# Altium PCB LimeNet-Micro_2v1.PcbDoc (part 1 of 11) (continued)
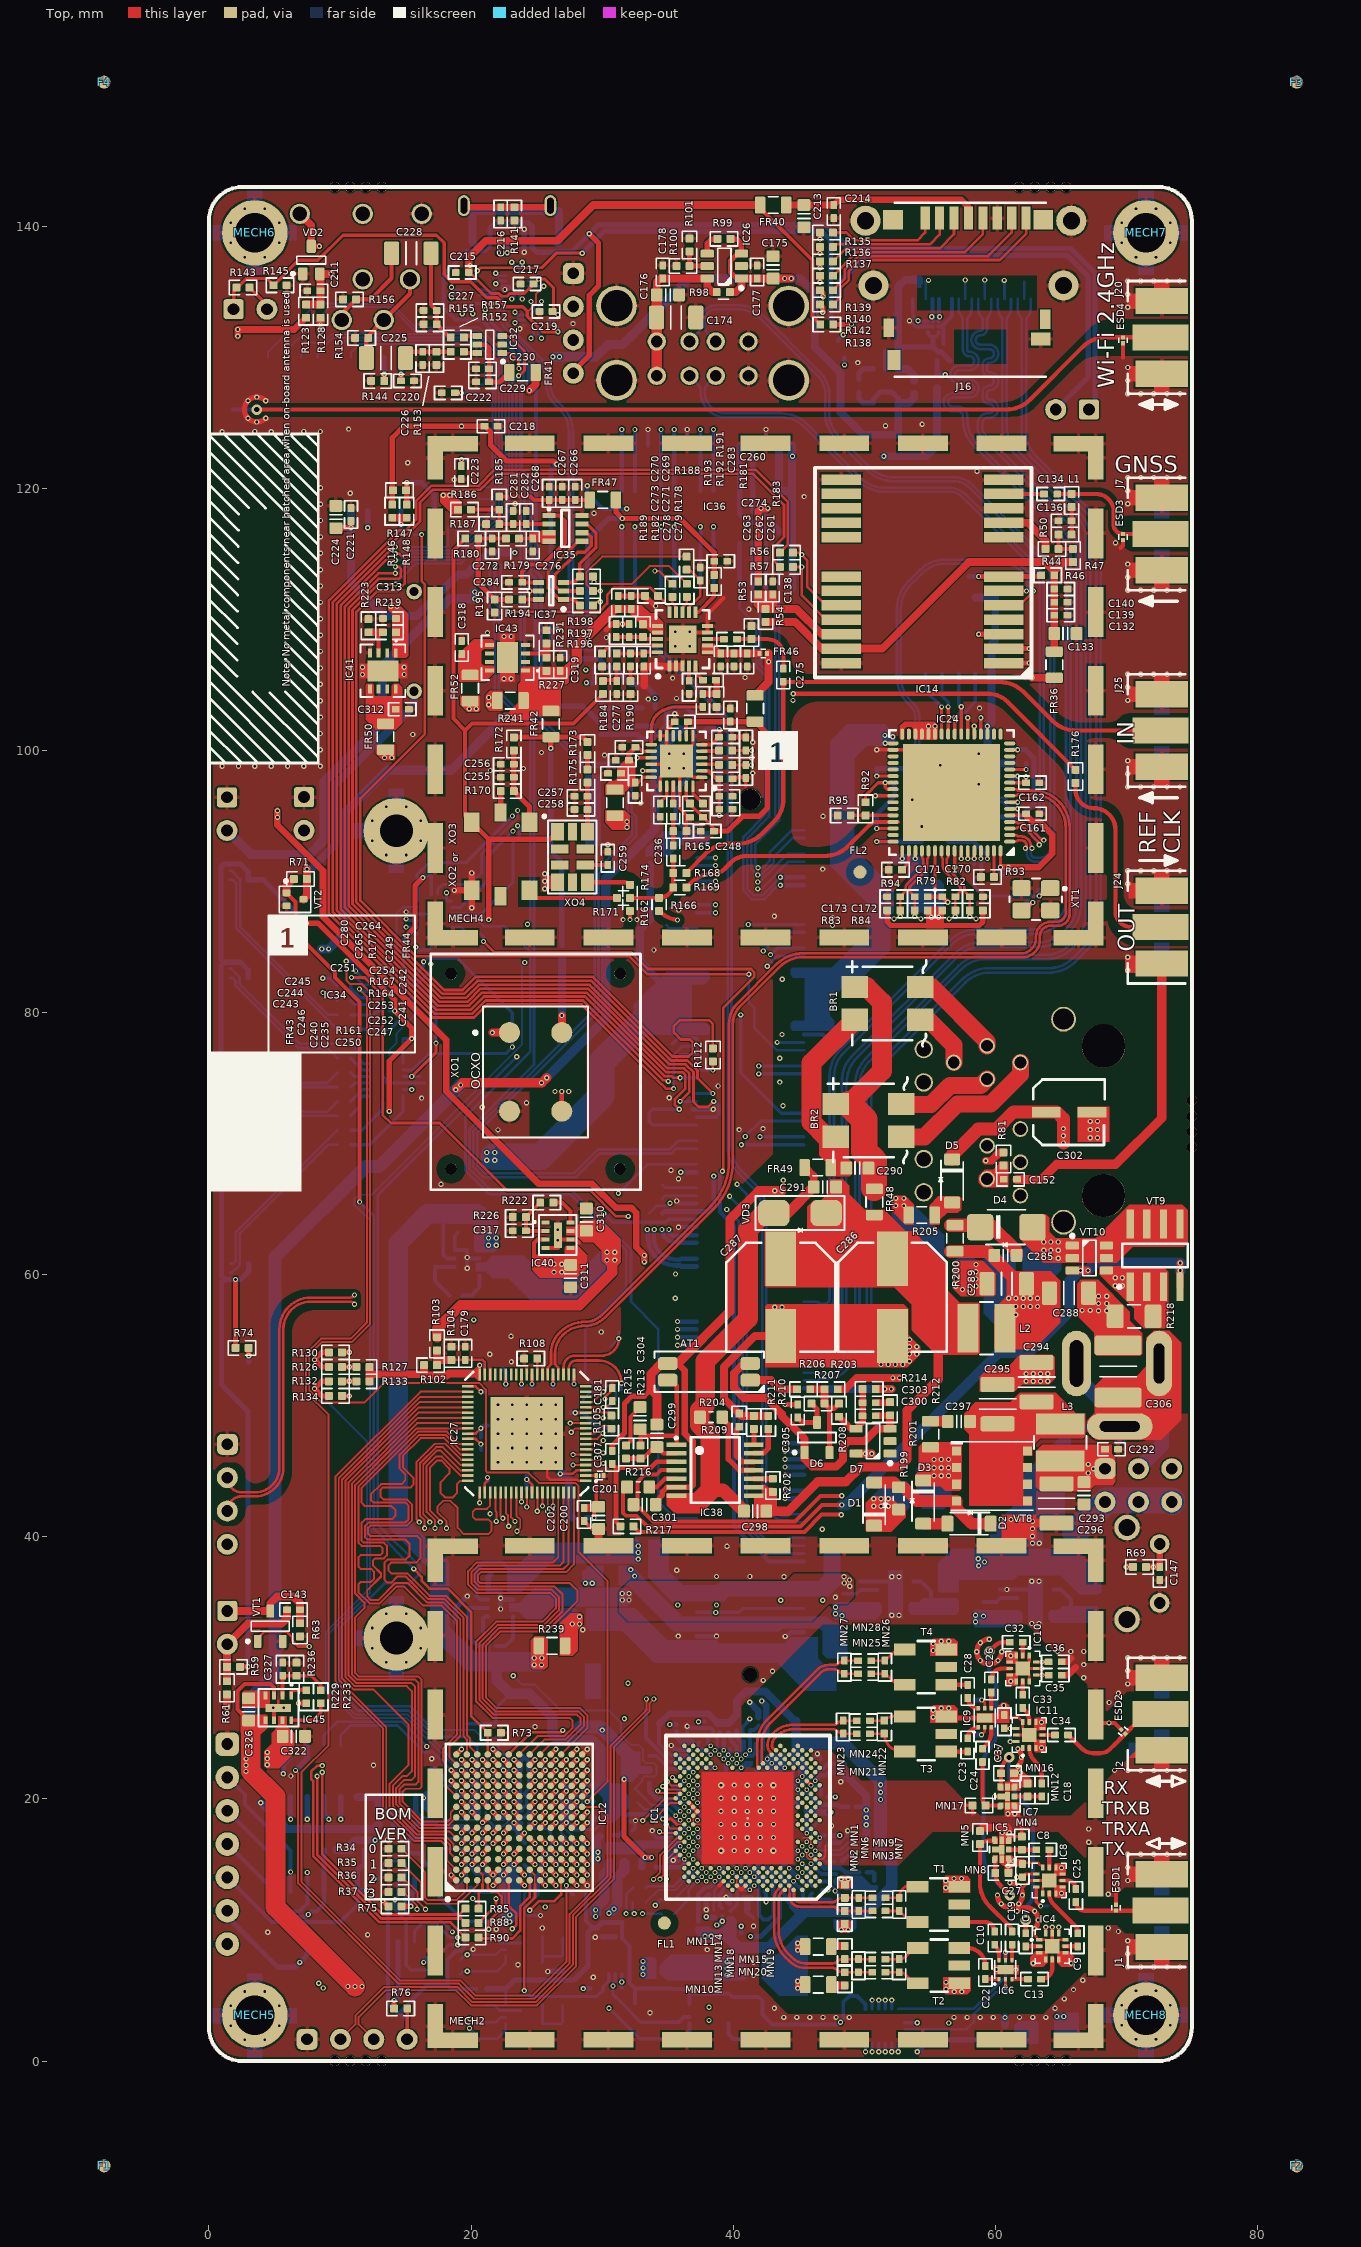
[diagram p0: Top view]
## Components (designator, comment, footprint, x,y, rotation, side; value= is the part's Value field where it differs from the comment)
AT1 "TCMT1107CT" TCMT1107CT_optoisolator 38.15,52.59 r90 top
BR1 "HD01-T" "HD01-T _RECTIFIER_BRIDGE_V1" 51.775,80.7 r90 top
BR2 "HD01-T" "HD01-T _RECTIFIER_BRIDGE_V1" 50.331,71.775 r90 top
C1 "10pF, 25V" CAP0402#1 36.603,11.995 r270 bottom
C2 "100nF, 16V" CAP0402#1 19.475,11.15 r90 bottom
C3 "100pF, 50V" CAP0402#1 48.772,12.894 r270 bottom
C4 "100nF, 16V" CAP0402#1 49.772,12.894 r90 bottom
C5 "100pF, 50V" CAP0402#1 47.472,10.469 r180 bottom
C6 "100nF, 16V" CAP0402#1 49.572,10.469 r180 bottom
C7 "100pF, 50V" CAP0402#2 62.325,9.25 r270 top
C8 "100pF, 50V" CAP0402#2 63.625,16.125 r180 top
C9 "100pF, 50V" CAP0402#2 66.275,9.25 r270 top
C10 "100pF, 50V" CAP0402#2 59.95,9.375 r90 top
C11 "100pF, 50V" CAP0402#1 64.85,9.175 r90 bottom
C12 "100pF, 50V" CAP0402#1 63.85,9.175 r90 bottom
C13 "100pF, 50V" CAP0402#2 63,6.25 r180 top
C14 "100nF, 16V" CAP0402#1 45.878,6.326 r180 bottom
C15 "100pF, 50V" CAP0402#1 45.878,5.326 r0 bottom
C16 "100pF, 50V" CAP0402#1 45.878,9.225 r0 bottom
C17 "100nF, 16V" CAP0402#1 45.878,8.225 r180 bottom
C18 "100pF, 50V" CAP0402#2 63.553,20.68 r270 top
C19 "100pF, 50V" CAP0402#2 61.277,9.375 r270 top
C20 "10pF, 25V" CAP0402#1 61.275,5.235 r180 bottom
C21 "10pF, 25V" CAP0402#1 61.275,7.875 r180 bottom
C22 "100pF, 50V" CAP0402#2 59.25,6.75 r90 top
C23 "100pF, 50V" CAP0402#2 57.881,24.125 r270 top
C24 "100pF, 50V" CAP0402#2 59.025,23.325 r90 top
C25 "100pF, 50V" CAP0402#2 66.15,12.625 r90 top
C26 "100pF, 50V" CAP0402#2 59.7,28.625 r270 top
C27 "100pF, 50V" CAP0402#2 62.075,14.525 r270 top
C28 "100pF, 50V" CAP0402#2 57.9,28.2 r90 top
C29 "100pF, 50V" CAP0402#1 64.525,11.82 r180 bottom
C30 "10pF, 25V" CAP0402#1 57.95,24.9 r0 bottom
C31 "10pF, 25V" CAP0402#1 57.975,27.55 r0 bottom
C32 "100pF, 50V" CAP0402#2 61.6,31.95 r0 top
C33 "100pF, 50V" CAP0402#2 62.1,27.45 r90 top
C34 "100pF, 50V" CAP0402#2 65.05,24.875 r180 top
C35 "100pF, 50V" CAP0402#2 64.575,29.45 r180 top
C36 "100pF, 50V" CAP0402#2 64.57,30.45 r180 top
C37 "100pF, 50V" CAP0402#2 60.7,25.89 r270 top
C38 "100pF, 50V" CAP0402#1 61.633,24.8 r180 bottom
C39 "1uF, 6.3V" CAP0201 38.232,12.099 r180 bottom value="1uF, 20%"
C40 "10uF, 6.3V" CAP0603#1 31.45,25.193 r180 bottom
C41 "1nF, 10%" CAP0201 36.782,19.549 r135 bottom
C42 "1uF, 6.3V" CAP0201 38.952,18.499 r0 bottom value="1uF, 20%"
C43 "1nF, 10%" CAP0201 34.947,15.069 r90 bottom
C44 "1uF, 6.3V" CAP0201 35.822,15.069 r90 bottom value="1uF, 20%"
C45 "1nF, 10%" CAP0201 32.047,17.594 r0 bottom
C46 "1uF, 6.3V" CAP0201 32.172,18.569 r270 bottom value="1uF, 20%"
C47 "1nF, 10%" CAP0201 35.687,19.626 r45 bottom
C48 "1uF, 6.3V" CAP0201 34.941,20.255 r90 bottom value="1uF, 20%"
C49 "1nF, 10%" CAP0201 36.322,22.554 r90 bottom
C50 "1uF, 6.3V" CAP0201 35.552,22.554 r90 bottom value="1uF, 20%"
C51 "1uF, 6.3V" CAP0201 47.19,13.974 r270 bottom value="1uF, 20%"
C52 "1uF, 6.3V" CAP0201 41.681,12.303 r180 bottom value="1uF, 20%"
C53 "1uF, 6.3V" CAP0201 42.384,13.18 r270 bottom value="1uF, 20%"
C54 "1uF, 6.3V" CAP0201 42.181,15.353 r0 bottom value="1uF, 20%"
C55 "1uF, 6.3V" CAP0201 39.197,21.819 r180 bottom value="1uF, 20%"
C56 "1uF, 6.3V" CAP0201 41.297,22.994 r270 bottom value="1uF, 20%"
C57 "1uF, 6.3V" CAP0201 46.981,20.803 r0 bottom value="1uF, 20%"
C58 "1uF, 6.3V" CAP0201 46.932,16.474 r0 bottom value="1uF, 20%"
C59 "1uF, 6.3V" CAP0201 37.027,23.744 r180 bottom value="1uF, 20%"
C60 "1uF, 6.3V" CAP0201 48.956,14.678 r90 bottom value="1uF, 20%"
C61 "1uF, 6.3V" CAP0201 36.322,24.644 r90 bottom value="1uF, 20%"
C62 "1uF, 6.3V" CAP0201 51.056,14.403 r0 bottom value="1uF, 20%"
C63 "1uF, 6.3V" CAP0201 34.947,16.194 r270 bottom value="1uF, 20%"
C64 "1nF, 10%" CAP0201 35.597,16.194 r270 bottom
C65 "1uF, 6.3V" CAP0201 38.132,12.974 r270 bottom value="1uF, 20%"
C66 "1uF, 6.3V" CAP0201 39.406,14.378 r270 bottom value="1uF, 20%"
C67 "1uF, 6.3V" CAP0201 40.835,12.774 r270 bottom value="1uF, 20%"
C68 "1uF, 6.3V" CAP0201 46.437,17.803 r180 bottom value="1uF, 20%"
C69 "1uF, 6.3V" CAP0201 40.122,22.219 r315 bottom value="1uF, 20%"
C70 "1uF, 6.3V" CAP0201 37.782,20.524 r270 bottom value="1uF, 20%"
C71 "1nF, 10%" CAP0201 38.557,20.524 r270 bottom
C72 "1uF, 6.3V" CAP0201 38.557,19.424 r270 bottom value="1uF, 20%"
C73 "1nF, 10%" CAP0201 37.782,19.424 r270 bottom
C74 "1uF, 6.3V" CAP0201 35.497,17.194 r180 bottom value="1uF, 20%"
C75 "1nF, 10%" CAP0201 35.672,17.844 r180 bottom
C76 "1uF, 6.3V" CAP0201 46.107,14.215 r315 bottom value="1uF, 20%"
C77 "1uF, 6.3V" CAP0201 45.326,17.903 r180 bottom value="1uF, 20%"
C78 "1uF, 6.3V" CAP0201 45.355,13.323 r270 bottom value="1uF, 20%"
C79 "1uF, 6.3V" CAP0201 39.981,12.103 r180 bottom value="1uF, 20%"
C80 "1uF, 6.3V" CAP0201 40.608,15.479 r90 bottom value="1uF, 20%"
C81 "1uF, 6.3V" CAP0201 39.806,15.478 r270 bottom value="1uF, 20%"
C82 "1uF, 6.3V" CAP0201 38.272,22.114 r270 bottom value="1uF, 20%"
C83 "1uF, 6.3V" CAP0201 38.057,24.999 r90 bottom value="1uF, 20%"
C84 "1uF, 6.3V" CAP0201 39.021,24.369 r180 bottom value="1uF, 20%"
C85 "1uF, 6.3V" CAP0201 40.006,23.749 r180 bottom value="1uF, 20%"
C86 "1uF, 6.3V" CAP0201 40.731,24.628 r90 bottom value="1uF, 20%"
C87 "1uF, 6.3V" CAP0201 45.806,22.828 r45 bottom value="1uF, 20%"
C88 "1uF, 6.3V" CAP0201 45.031,20.003 r90 bottom value="1uF, 20%"
C89 "1uF, 6.3V" CAP0201 47.009,15.681 r0 bottom value="1uF, 20%"
C90 "1uF, 6.3V" CAP0201 44.076,15.503 r0 bottom value="1uF, 20%"
C91 "1uF, 6.3V" CAP0201 45.606,12.228 r0 bottom value="1uF, 20%"
C92 "1uF, 6.3V" CAP0201 48.731,16.948 r90 bottom value="1uF, 20%"
C93 "1uF, 6.3V" CAP0201 39.481,12.978 r0 bottom value="1uF, 20%"
C94 "1uF, 6.3V" CAP0201 46.675,22.689 r90 bottom value="1uF, 20%"
C95 "1uF, 6.3V" CAP0201 47.2,21.65 r270 bottom value="1uF, 20%"
C96 "1uF, 6.3V" CAP0201 48.135,19.133 r270 bottom value="1uF, 20%"
C97 "1uF, 6.3V" CAP0201 41.3,25.575 r90 bottom value="1uF, 20%"
C98 "100nF, 16V" CAP0402#1 12.875,20.65 r270 bottom
C99 "10uF, 6.3V" CAP0603#1 25.65,12.3 r180 bottom
C100 "1uF, 6.3V" CAP0201 27.672,18.594 r315 bottom value="1uF, 20%"
C101 "100nF, 6.3V" CAP0201 27.522,17.669 r180 bottom
C102 "100nF, 6.3V" CAP0201 27.547,20.169 r90 bottom
C103 "100nF, 6.3V" CAP0201 26.172,15.419 r135 bottom
C104 "100nF, 6.3V" CAP0201 28.442,17.389 r270 bottom
C105 "100nF, 6.3V" CAP0201 25.347,15.244 r90 bottom
C106 "10uF, 6.3V" CAP0603#1 17,21.475 r270 bottom
C107 "1uF, 6.3V" CAP0201 21.197,14.594 r270 bottom value="1uF, 20%"
C108 "100nF, 6.3V" CAP0201 21.197,16.194 r90 bottom
C109 "100nF, 6.3V" CAP0201 26.672,20.894 r0 bottom
C110 "100nF, 6.3V" CAP0201 20.547,14.594 r270 bottom
C111 "100nF, 6.3V" CAP0201 27.522,17.069 r0 bottom
C112 "100nF, 6.3V" CAP0201 17.975,21.295 r90 bottom
C113 "10uF, 6.3V" CAP0603#1 24.072,24.019 r270 bottom
C114 "1uF, 6.3V" CAP0201 23.772,21.919 r270 bottom value="1uF, 20%"
C115 "100nF, 6.3V" CAP0201 23.122,17.469 r270 bottom
C116 "100nF, 6.3V" CAP0201 22.472,18.219 r270 bottom
C117 "100nF, 6.3V" CAP0201 23.797,20.119 r90 bottom
C118 "100nF, 6.3V" CAP0201 21.797,18.219 r270 bottom
C119 "10uF, 6.3V" CAP0603#1 21.947,12.094 r0 bottom
C120 "1uF, 6.3V" CAP0201 22.072,13.869 r180 bottom value="1uF, 20%"
C121 "100nF, 6.3V" CAP0201 22.097,14.844 r90 bottom
C122 "100nF, 6.3V" CAP0201 22.917,15.3 r180 bottom
C123 "10uF, 6.3V" CAP0603#1 24.072,15.794 r90 bottom
C124 "1uF, 6.3V" CAP0201 20.072,17.894 r0 bottom value="1uF, 20%"
C125 "100nF, 6.3V" CAP0201 22.072,22.494 r180 bottom
C126 "100nF, 6.3V" CAP0201 19.667,19.469 r180 bottom
C127 "100nF, 6.3V" CAP0201 25.272,22.619 r135 bottom
C128 "100nF, 6.3V" CAP0201 24.372,21.919 r270 bottom
C129 "100nF, 6.3V" CAP0201 20.847,18.969 r0 bottom
C130 "100nF, 6.3V" CAP0201 24.097,18.144 r0 bottom
C131 "100nF, 6.3V" CAP0201 24.172,19.069 r180 bottom
C132 "1uF, 10V" CAP0402#2 65,110.325 r180 top
C133 "10uF, 6.3V" CAP0603#2 65.35,108.925 r180 top
C134 "100pF, 50V" CAP0402#2 64.228,119.575 r180 top
C135 "100nF, 16V" CAP0402#1 32,10.575 r0 bottom
C136 "100pF, 50V" CAP0402#2 65.328,117.525 r180 top
C137 "100nF, 16V" CAP0402#1 14.3,78.025 r0 bottom
C138 "100nF, 16V" CAP0402#2 43.015,112.4 r90 top
C139 "100nF, 16V" CAP0402#2 65,111.325 r180 top
C140 "100pF, 50V" CAP0402#2 65,112.325 r0 top
C141 "100nF, 16V" CAP0402#1 19.48,5.005 r270 bottom
C142 "100nF, 16V" CAP0402#1 14.325,84.975 r0 bottom
C143 "100nF, 16V" CAP0402#2 6.45,34.45 r0 top
C144 "100nF, 16V" CAP0402#1 17.45,90.475 r180 bottom
C145 "100nF, 16V" CAP0402#1 33.65,5.021 r270 bottom
C146 "100nF, 16V" CAP0402#1 48.375,5.025 r0 bottom
C147 "100nF, 16V" CAP0402#2 72.55,37.2 r270 top
C148 "100nF, 16V" CAP0402#1 14.675,15.85 r180 bottom
C149 "100nF, 16V" CAP0402#1 50.95,99.125 r90 bottom
C150 "4.7uF, 6.3V" CAP0402#1 60.65,100.075 r0 bottom
C151 "100nF, 16V" CAP0402#1 62.2,100.625 r90 bottom
C152 "22nF, 50V" CAP0402#2 61.15,67.275 r180 top
C153 "100nF, 16V" CAP0402#1 51.5,93.45 r90 bottom
C154 "1uF, 10V" CAP0402#1 59.525,92.375 r180 bottom
C155 "100nF, 16V" CAP0402#1 55.4,100.875 r270 bottom
C156 "100nF, 16V" CAP0402#1 59.9,101.4 r0 bottom
C157 "100nF, 16V" CAP0402#1 52.575,100.55 r0 bottom
C158 "100nF, 16V" CAP0402#1 50.45,94.975 r180 bottom
C159 "100nF, 16V" CAP0402#1 52.575,97.575 r0 bottom
C160 "100nF, 16V" CAP0402#1 61.2,90.725 r0 bottom
C161 "100nF, 16V" CAP0402#2 62.85,95.175 r0 top
C162 "100nF, 16V" CAP0402#2 62.85,97.55 r0 top
C163 "100nF, 16V" CAP0402#1 56.9,90.125 r270 bottom
C164 "100nF, 16V" CAP0402#1 51.925,91.75 r180 bottom
C165 "100nF, 16V" CAP0402#1 53.225,90.75 r180 bottom
C166 "100nF, 16V" CAP0402#1 55.4,90.325 r90 bottom
C167 "10pF, 25V" CAP0402#1 63.85,89.35 r180 bottom
C168 "10pF, 25V" CAP0402#1 61.9,88.35 r0 bottom
C169 "100nF, 16V" CAP0402#1 60.501,111.687 r0 bottom
C170 "13pF, 5%" CAP0402#2 58.55,88.85 r0 top
C171 "13pF, 5%" CAP0402#2 56.45,88.85 r180 top
C172 "13pF, 5%" CAP0402#2 54.35,88.85 r0 top
C173 "13pF, 5%" CAP0402#2 52.25,88.85 r180 top
C174 "47uF, 10V" CAP1206#1 35.645,133.045 r180 top
C175 "22uF, 10V" CAP0603#2 43.045,136.87 r270 top
C176 "22uF, 10V" CAP0603#2 35.02,134.77 r180 top
C177 "100nF, 16V" CAP0402#2 41.82,136.52 r90 top
C178 "100nF, 16V" CAP0402#2 34.62,136.52 r90 top
C179 "100nF, 16V" CAP0402#2 19.55,54 r90 top
C180 "10pF, 5%" CAP0402#1 31.475,50.725 r270 bottom
C181 "100nF, 16V" CAP0402#2 30.775,50.85 r90 top
C182 "10pF, 5%" CAP0402#1 31.775,55.625 r0 bottom
C183 "10uF, 6.3V" CAP0603#1 25.075,43.65 r180 bottom
C184 "1uF, 6.3V" CAP0201 27.85,52.294 r270 bottom
C185 "100nF, 6.3V" CAP0201 21.284,53.091 r0 bottom
C186 "1uF, 6.3V" CAP0201 21.03,46.625 r180 bottom
C187 "100nF, 6.3V" CAP0201 27.3,49.475 r180 bottom
C188 "1uF, 6.3V" CAP0201 21.25,43.925 r90 bottom
C189 "100nF, 6.3V" CAP0201 24.25,45 r90 bottom
C190 "1uF, 6.3V" CAP0201 26.25,51 r90 bottom
C191 "100nF, 6.3V" CAP0201 24.65,51.025 r270 bottom
C192 "10uF, 6.3V" CAP0603#1 28.3,43.25 r180 bottom
C193 "1uF, 6.3V" CAP0201 21.03,47.588 r180 bottom
C194 "100nF, 6.3V" CAP0201 22.65,51.025 r270 bottom
C195 "10nF, 50V" CAP0402#1 22.442,53.3 r90 bottom
C196 "100nF, 6.3V" CAP0201 21.384,51.075 r0 bottom
C197 "10nF, 50V" CAP0402#1 27.875,44.475 r0 bottom
C198 "100nF, 6.3V" CAP0201 23.844,51.025 r270 bottom
C199 "10nF, 50V" CAP0402#1 21.325,49 r90 bottom
C200 "10uF, 6.3V" CAP0603#2 29.725,41.45 r90 top
C201 "1uF, 6.3V" CAP0201 29.83,44.675 r180 top
C202 "100nF, 16V" CAP0402#2 28.625,41.7 r270 top
C203 "4.7uF, 6.3V" CAP0402#1 34.725,91.75 r270 bottom
C204 "1uF, 10V" CAP0402#1 47.225,78.45 r90 bottom
C205 "1uF, 10V" CAP0402#1 47.175,83.625 r270 bottom
C206 "1uF, 10V" CAP0402#1 35.375,78.125 r90 bottom
C207 "1uF, 10V" CAP0402#1 35.175,83.3 r270 bottom
C208 "47uF, 10V" CAP1206#2 49.025,38.4 r180 bottom
C209 "47uF, 10V" CAP1206#2 49.4,31.7 r180 bottom
C210 "47uF, 10V" CAP1206#2 48.8,29.325 r180 bottom
C211 "4.7uF, 6.3V" CAP0402#2 8,135.075 r0 top
C212 "100nF, 16V" CAP0402#1 14.025,3.675 r180 bottom
C213 "10uF, 6.3V" CAP0603#2 45.4,140.775 r90 top
C214 "100nF, 16V" CAP0402#2 47.675,141.125 r270 top
C215 "100nF, 16V" CAP0402#2 19.325,136.475 r180 top
C216 "4.7nF, 50V" CAP0402#2 22.25,140.95 r270 top
C217 "100nF, 16V" CAP0402#2 24.275,135.6 r180 top
C218 "100nF, 16V" CAP0402#2 21.52,124.75 r180 top
C219 "100nF, 16V" CAP0402#2 25.725,133.5 r180 top
C220 "100nF, 16V" CAP0402#2 15.145,128.2 r180 top
C221 "100nF, 16V" CAP0402#2 10.835,118.01 r270 top
C222 "100nF, 16V" CAP0402#2 18.26,127.29 r0 top
C223 "100nF, 16V" CAP0402#2 19.265,121.205 r90 top
C224 "22uF, 10V" CAP0603#2 9.68,117.815 r270 top
C225 "47uF, 10V" CAP1206#1 13.506,129.95 r0 top
C226 "100nF, 16V" CAP0402#2 16.297,129.925 r270 top
C227 "100nF, 16V" CAP0402#2 16.875,133.575 r0 top
C228 "47uF, 10V" CAP1206#1 15.435,137.95 r0 top
C229 "1uF, 10V" CAP0402#2 20.872,128.125 r0 top
C230 "100nF, 16V" CAP0402#2 20.872,129.125 r180 top
C231 "22uF, 10V" CAP0603#1 53.45,124.1 r180 bottom
C232 "22uF, 10V" CAP0603#1 51.75,132.725 r0 bottom
C233 "100nF, 16V" CAP0402#1 52.1,125.325 r180 bottom
C234 "100nF, 16V" CAP0402#1 52.1,131.525 r180 bottom
C235 "100nF, 16V" CAP0402#2 35.425,95.45 r270 top
C236 "100nF, 16V" CAP0402#2 35.425,92.25 r270 top
C237 "100nF, 16V" CAP0402#1 27.425,81.525 r180 bottom
C238 "10uF, 16V" CAP0603#1 27.775,82.85 r180 bottom
C239 "100pF, 50V" CAP0402#1 27.425,80.525 r0 bottom
C240 "100nF, 16V" CAP0402#2 34.425,95.45 r90 top
C241 "47pF, 50V" CAP0402#2 40.975,98.4 r90 top
C242 "47pF, 50V" CAP0402#2 40.975,100.5 r270 top
C243 "1uF, 10V" CAP0402#2 30.95,98.25 r0 top
C244 "100nF, 16V" CAP0402#2 31.538,99.25 r0 top
C245 "100pF, 50V" CAP0402#2 32.038,100.25 r0 top
C246 "100pF, 50V" CAP0402#2 32.512,97.05 r90 top
C247 "1uF, 10V" CAP0402#2 39.438,95.512 r180 top
C248 "1uF, 10V" CAP0402#2 38.025,93.85 r0 top
C249 "100nF, 16V" CAP0402#2 39.787,102.7 r270 top
C250 "100pF, 50V" CAP0402#2 37.2,94.9 r0 top
C251 "100pF, 50V" CAP0402#2 36.038,102.2 r0 top
C252 "100nF, 16V" CAP0402#2 39.438,96.512 r180 top
C253 "100pF, 50V" CAP0402#2 39.438,97.837 r180 top
C254 "100pF, 50V" CAP0402#2 39.425,101.025 r180 top
C255 "100nF, 16V" CAP0402#2 22.761,97.95 r0 top
C256 "1uF, 10V" CAP0402#2 22.761,98.95 r0 top
C257 "1uF, 10V" CAP0402#2 28.386,96.5 r0 top
C258 "100nF, 16V" CAP0402#2 28.386,95.5 r0 top
C259 "18nF, 16V" CAP0402#2 30.436,91.775 r270 top
C260 "100nF, 16V" CAP0402#2 39.05,114.45 r180 top
C261 "100nF, 16V" CAP0402#2 41.063,106.9 r90 top
C262 "100pF, 50V" CAP0402#2 40.063,106.9 r270 top
C263 "100pF, 50V" CAP0402#2 39.063,106.9 r270 top
C264 "100pF, 50V" CAP0402#2 38.188,105.375 r0 top
C265 "100pF, 50V" CAP0402#2 37.688,103.825 r270 top
C266 "1uF, 10V" CAP0402#2 27.95,119.625 r270 top
C267 "100nF, 16V" CAP0402#2 26.95,119.625 r90 top
C268 "100pF, 50V" CAP0402#2 25.95,119.625 r90 top
C269 "100pF, 50V" CAP0402#2 32.22,111.3 r90 top
C270 "100pF, 50V" CAP0402#2 31.225,111.3 r90 top
C271 "100pF, 50V" CAP0402#2 32.063,109.15 r270 top
C272 "100nF, 16V" CAP0402#2 21.6,115.675 r90 top
C273 "100nF, 16V" CAP0402#2 31.063,109.15 r90 top
C274 "1nF, 10%" CAP0402#2 39.788,108.5 r180 top
C275 "1nF, 10%" CAP0402#2 43.825,105.75 r90 top
C276 "1nF, 50V" CAP0402#2 24.7,115.675 r270 top
C277 "22pF, 5%" CAP0402#2 31.113,104.8 r90 top
C278 "22pF, 5%" CAP0402#2 32.163,106.9 r90 top
C279 "22pF, 5%" CAP0402#2 33.163,106.9 r90 top
C280 "220pF, 10%" CAP0402#2 36.638,104.825 r270 top
C281 "1uF, 10V" CAP0402#2 23.2,117.775 r270 top
C282 "100nF, 16V" CAP0402#2 24.2,117.775 r90 top
C283 "10pF, 25V" CAP0402#2 37.5,113.475 r270 top
C284 "100nF, 16V" CAP0402#2 23.4,112.825 r180 top
C285 "100nF, 100V" CAP0603#2 60.775,61.475 r180 top
C286 "10uF, 100V" CAP_POL_SIZE_E 52.15,58.275 r270 top
C287 "10uF, 100V" CAP_POL_SIZE_E 43.63,58.275 r270 top
C288 "2.2uF, 100V" CAP1206#1 65.625,58.6 r180 top
C289 "2.2uF, 100V" CAP1206#1 60.875,59.3 r0 top
C290 "1nF, 100V" CAP0603#2 49.475,68.129 r180 top
C291 "1nF, 100V" CAP0603#2 47,66.7 r180 top
C292 "1uF, 10V" CAP0402#2 68.875,46.675 r180 top
C293 "100nF, 100V" CAP0603#2 66.775,43.325 r90 top
C294 "100uF, 6.3V" CAP1210 63.15,51.8 r270 top
C295 "100uF, 6.3V" CAP1210 60.175,50.125 r270 top
C296 "100uF, 6.3V" CAP1210 64.675,42.545 r90 top
C297 "1nF, 100V" CAP0603#2 57.225,48.8 r180 top
C298 "100nF, 100V" CAP0603#2 41.675,41.955 r0 top
C299 "100nF, 100V" CAP0603#2 34.174,47.712 r270 top
C300 "100pF, 50V" CAP0402#2 50.375,49.225 r0 top
C301 "1uF, 25V" CAP0603#2 33.236,42.45 r180 top
C302 "22uF, 16V" CAP_POL_SIZE_B 65.591,72.4 r0 top
C303 "6800pF, 50V" CAP0402#2 50.375,50.225 r0 top
C304 "47nF, 50V" CAP0603#2 32.9,49.05 r90 top
C305 "1uF, 10V" CAP0402#2 44.925,49.6 r270 top
C306 "1000pF, 2kV" CAP1812 69.375,52.625 r90 top
C307 "470pF, 50V" CAP0402#2 30.775,46.058 r90 top
C308 "22uF, 10V" CAP0603#1 21.875,59.725 r90 bottom
C309 "22uF, 10V" CAP0603#1 19.825,63.175 r0 bottom
C310 "22uF, 10V" CAP0603#2 28.797,64.2 r270 top
C311 "22uF, 10V" CAP0603#2 27.597,59.9 r90 top
C312 "4.7uF, 6.3V" CAP0402#2 14.75,103.15 r180 top
C313 "4.7uF, 6.3V" CAP0402#2 13.768,110.075 r0 top
C314 "4.7uF, 6.3V" CAP0402#1 55.08,34.029 r90 bottom
C315 "4.7uF, 6.3V" CAP0402#1 49.48,33.704 r90 bottom
C316 "470pF, 50V" CAP0402#1 16.755,60.575 r180 bottom
C317 "470pF, 50V" CAP0402#2 23.677,63.35 r180 top
C318 "4.7uF, 6.3V" CAP0402#2 19.28,107.864 r270 top
C319 "4.7uF, 6.3V" CAP0402#2 26.8,106.575 r270 top
C320 "4.7uF, 6.3V" CAP0402#1 65.763,33.411 r90 bottom
C321 "4.7uF, 6.3V" CAP0402#1 60.163,33.086 r90 bottom
C322 "22uF, 10V" CAP0603#2 6.475,24.775 r180 top
C323 "22uF, 10V" CAP0603#1 24.425,33.725 r90 bottom
C324 "22uF, 10V" CAP0603#1 22.375,37.175 r0 bottom
C325 "10uF, 6.3V" CAP0603#1 43.825,5 r90 bottom
C326 "22uF, 10V" CAP0603#2 3.025,26.825 r270 top
C327 "470pF, 50V" CAP0402#2 5.625,29.895 r90 top
C328 "470pF, 50V" CAP0402#1 19.305,34.575 r180 bottom
C329 "1uF, 10V" CAP0402#1 66.575,2.225 r180 bottom
C330 "100nF, 16V" CAP0402#1 66.575,3.225 r0 bottom
D1 "MBR0530" MBR0530T1G_shottky_diode_SOD123 50.75,42.5 r90 top
D2 "MMSZ5245B" MMSZ5245B_shottky_diode_SOD123 58,41 r180 top
D3 "MMSZ5245B" MMSZ5245B_shottky_diode_SOD123 54.5,42.654 r270 top
D4 "MURA120" MURA120T3G_diode_DO-214AC 60.85,63.625 r0 top
D5 "MMSD4148T1G" MMSD4148T1G_diode_SOD123 56.701,67.15 r270 top
D6 "BAT54SLT1G" BAT54SLT1G_SOT23-3 46.4,47.575 r90 top
D7 "TLV431" SOT23-5 50.675,47.3 r180 top
ESD1 "ESD8472" ESD8472_X3DFN2 69.2,11.7 r90 top
ESD2 "ESD8472" ESD8472_X3DFN2 69.766,25.134 r135 top
ESD3 "ESD8472" ESD8472_X3DFN2 69.75,116.3 r270 top
ESD4 "ESD8472" ESD8472_X3DFN2 69.75,131.3 r270 top
F1 "Fiducial" Fiducial -8,-8 r0 top
F2 "Fiducial" Fiducial 83,-8 r0 top
F3 "Fiducial" Fiducial 83,151 r0 top
F4 "Fiducial" Fiducial -8,151 r0 top
F5 "Fiducial" Fiducial -8,-8 r0 bottom
F6 "Fiducial" Fiducial 83,-8 r0 bottom
F7 "Fiducial" Fiducial 83,151 r0 bottom
F8 "Fiducial" Fiducial -8,151 r0 bottom
FL1 "Fiducial" Fiducial_local 34.75,10.525 r0 top
FL2 "Fiducial" Fiducial_local 49.675,90.725 r180 top
FL3 "Fiducial" Fiducial_local 49.05,26.7 r0 bottom
FR1 "600R, 2A" RES0805#1 27.2,25.658 r180 bottom
FR2 "600R, 0.27A" RES0201 47.831,13.978 r270 bottom value=600R@100MHz
FR3 "600R, 0.27A" RES0201 47.305,17.212 r180 bottom value=600R@100MHz
FR4 "600R, 0.27A" RES0201 46.981,20.153 r180 bottom value=600R@100MHz
FR5 "600R, 0.27A" RES0201 41.707,24.449 r90 bottom value=600R@100MHz
FR6 "600R, 0.27A" RES0201 41.272,21.894 r0 bottom value=600R@100MHz
FR7 "600R, 0.27A" RES0201 42.181,14.703 r0 bottom value=600R@100MHz
FR8 "600R, 0.27A" RES0201 42.786,14.078 r0 bottom value=600R@100MHz
FR9 "600R, 0.27A" RES0201 43.056,12.403 r90 bottom value=600R@100MHz
FR10 "600R, 0.27A" RES0201 49.906,14.403 r180 bottom value=600R@100MHz
FR11 "600R, 0.27A" RES0201 37.192,24.394 r180 bottom value=600R@100MHz
FR12 "600R, 0.27A" RES0201 37.8,26.17 r90 bottom value=600R@100MHz
FR13 "600R, 0.27A" RES0201 46.63,18.697 r90 bottom value=600R@100MHz
FR14 "600R, 0.27A" RES0201 37.347,10.364 r270 bottom value=600R@100MHz
FR15 "600R, 0.27A" RES0201 43.656,14.628 r270 bottom value=600R@100MHz
FR16 "600R, 0.27A" RES0201 48.106,15.203 r0 bottom value=600R@100MHz
FR17 "600R, 0.27A" RES0201 45.606,18.803 r90 bottom value=600R@100MHz
FR18 "600R, 0.27A" RES0201 44.581,22.353 r90 bottom value=600R@100MHz
FR19 "600R, 0.27A" RES0201 45.172,23.399 r90 bottom value=600R@100MHz
FR20 "600R, 0.27A" RES0201 40.256,25.728 r90 bottom value=600R@100MHz
FR21 "600R, 0.27A" RES0201 39.606,25.378 r90 bottom value=600R@100MHz
FR22 "600R, 0.27A" RES0201 38.956,25.378 r90 bottom value=600R@100MHz
FR23 "600R, 0.27A" RES0201 47.506,11.828 r270 bottom value=600R@100MHz
FR24 "600R, 0.27A" RES0201 37.306,22.703 r180 bottom value=600R@100MHz
FR25 "600R, 0.27A" RES0201 38.231,15.153 r180 bottom value=600R@100MHz
FR26 "600R, 0.27A" RES0201 40.325,9.75 r180 bottom value=600R@100MHz
FR27 "600R, 0.27A" RES0201 39.806,11.153 r270 bottom value=600R@100MHz
FR28 "600R, 0.27A" RES0201 44.522,12.344 r270 bottom value=600R@100MHz
FR29 "600R, 0.27A" RES0201 49.706,16.678 r0 bottom value=600R@100MHz
FR30 "600R, 0.27A" RES0201 41.95,25.875 r90 bottom value=600R@100MHz
FR31 "600R, 0.27A" RES0201 49.062,19.413 r0 bottom value=600R@100MHz
FR32 "600R, 0.27A" RES0201 48.045,22.021 r0 bottom value=600R@100MHz
FR33 "600R, 0.27A" RES0201 48.05,22.673 r0 bottom value=600R@100MHz
FR34 "600R, 0.27A" RES0201 39.15,11.375 r270 bottom value=600R@100MHz
FR35 "220R, 0.9A" RES0402#1 17.272,18.594 r90 bottom
FR36 "600R, 2A" RES0805#2 64.5,106.55 r90 top
FR37 "600R, 2A" RES0805#1 55.4,93.05 r180 bottom
FR38 "600R, 2A" RES0805#1 52.75,88.9 r180 bottom
FR39 "220R, 0.9A" RES0402#1 28.258,41.45 r0 bottom
FR40 "600R, 2A" RES0805#2 43.05,141.625 r180 top
FR41 "600R, 2A" RES0805#2 23.925,128.85 r0 top
FR42 "600R, 2A" RES0805#2 26.086,102.025 r270 top
FR43 "600R, 2A" RES0805#2 30.975,96.025 r90 top
FR44 "600R, 2A" RES0805#2 41.675,103.2 r270 top
FR45 "600R, 2A" RES0805#1 36.952,101.6 r0 bottom
FR46 "600R, 0.27A" RES0201 42.3,107.4 r180 top
FR47 "600R, 2A" RES0805#2 30.05,119.125 r0 top
FR48 "600R, 2A" RES0805#2 50.773,65.55 r270 top
FR49 "600R, 2A" RES0805#2 46.445,68.175 r180 top
FR50 "600R, 2A" RES0805#2 13.475,101.05 r90 top
FR51 "600R, 2A" RES0805#1 56.48,35.629 r270 bottom
FR52 "600R, 2A" RES0805#2 19.93,104.764 r90 top
FR53 "600R, 2A" RES0805#1 67.163,35.011 r270 bottom
FR54 "600R, 2A" RES0805#1 41.58,7.35 r0 bottom
FR55 "600R, 2A" RES0805#1 63.89,2.173 r0 bottom
IC1 "LMS7002M" LMS7002M_v5 41.272,18.544 r180 top
IC2 "M24128" M24128-DFMC6TG 24.05,8.75 r180 bottom
IC3 "CAT24C128WI-GT3" SOIC127P600-8DL_v2 24.05,8.75 r180 bottom
IC4 "PE42422" PE42422_QFN12 64.35,8.75 r0 top
IC5 "Duplexer B8 (B5)" SAW_filter_duplexer_TAIYO_YUDEN_1p8x1p4_2p0x1p6 60.5,16.125 r270 top
IC6 "SKY13411-374LF" SKY13411-374LF 60.775,6.975 r90 top
IC7 "Duplexer B3 (B2)" SAW_filter_duplexer_TAIYO_YUDEN_1p8x1p4_2p0x1p6 60.928,20.18 r270 top
IC8 "PE42422" PE42422_QFN12 64.125,13.775 r90 top
IC9 "SKY13411-374LF" SKY13411-374LF 59.2,26.177 r90 top
IC10 "PE42422" PE42422_QFN12 62.1,29.95 r270 top
IC11 "PE42422" PE42422_QFN12 62.6,24.875 r90 top
IC12 "10M16SAU169C8G" 10M16SAU169C8G 23.672,18.594 r90 top locked
IC13 "LM75" HWSON8_LM75 30.75,8.075 r90 bottom
IC14 "NEO-M8Q" NEO-7M/8M 54.453,113.675 r0 top locked
IC15 "74AHC595" 74HC595BQ,115 13.509,74.925 r90 bottom
IC16 "M24128" M24128-DFMC6TG 24.05,3.6 r180 bottom
IC17 "74AHC595" 74HC595BQ,115 13.508,81.925 r90 bottom
IC18 "CAT24C128WI-GT3" SOIC127P600-8DL_v2 24.05,3.6 r180 bottom
IC19 "74AHC595" 74HC595BQ,115 17.2,87.225 r270 bottom
IC20 "ATECC508A" ATECC508A_UDFN8 38.15,3.6 r180 bottom
IC21 "ATECC508A" SOIC127P600-8DL_v2 38.15,3.6 r180 bottom
IC22 "74AHC595" 74HC595BQ,115 51.3,2.675 r180 bottom
IC23 "IS25LQ040" M25P40-VMN6TPB_SO8N 15.05,11.5 r90 bottom
IC24 "LAN9514-JZX" LAN9514I-JZX_QFN50P900X900X100-65N 56.65,96.8 r180 top locked
IC25 "93LC66AT" SOIC127P600-8DL_v2 56.576,108.837 r90 bottom
IC26 "AP2553" SOT23-6#1 39.32,136.97 r180 top
IC27 "FT601Q" FT601Q 24.25,47.875 r180 top locked
IC28 "FSUSB42UMX" FSUSB42UMX 19.925,134.95 r180 bottom
IC29 "FSUSB42UMX" FSUSB42UMX 23.5,135.825 r90 bottom
IC30 "WiFi Module WF111" WF111-A-V1_WIFI 1.7,130.14 r0 bottom locked
IC31 "FSUSB42UMX" FSUSB42UMX 24.975,132.838 r90 bottom
IC32 "NC7WZ16P6X" SC-70_NC7WZ16P6X 21.422,130.975 r180 top
IC33 "AP2553" SOT23-6#2 51.65,127.825 r90 bottom
IC34 "LMK00105" LMK00105SQ 35.675,99.2 r180 top
IC35 "AD5662" AD5662_SOT23-8 27.2,116.95 r0 top
IC36 "ADF4002" ADF4002 36.138,108.5 r90 top
IC37 "AD5601BKSZ-REEL7" AD5601_SOT23-6 26.1,112.175 r180 top
IC38 "TPS23753APWR" "TPS23753APWR _TSSOP14" 38.629,45.086 r0 top
IC39 "LMZ10501" LMZ10501 19.7,60.9 r0 bottom
IC40 "LMZ10501" LMZ10501 26.622,63.025 r0 top
IC41 "AP7361-FGE" AP7361 13.275,106.075 r270 top
IC42 "AP7361-FGE" AP7361 52.375,35.618 r0 bottom
IC43 "AP7361-FGE" AP7361 22.78,107.089 r180 top
IC44 "AP7361-FGE" AP7361 63.058,35 r0 bottom
IC45 "LMZ10501" LMZ10501 5.3,26.95 r270 top
IC46 "LMZ10501" LMZ10501 22.25,34.9 r0 bottom
J1 "SMA board edge" SMA_connector_board_edge_SM 72.6,11.475 r90 top locked
J2 "SMA board edge" SMA_connector_board_edge_SM 72.6,26.475 r90 top locked
J3 "FPGA JTAG (board edge)" Header7x1_TH 1.4,16.55 r270 bottom
J4 "FPGA JTAG" SWD_10_pin 8.775,10.928 r0 bottom locked
J5 "FPGA GPIO" SWD_10_pin 8.775,22.122 r0 bottom locked
J6 "Batt" HDR_1x2 1.375,95.158 r180 bottom
J7 "SMA board edge" SMA_connector_board_edge_SM 72.6,116.525 r90 top
J8 "FAN" HDR_1x2 1.4,33.077 r180 bottom
J9 "SI-52003-F" RJ45_SI-52003-F 61.405,71.75 r270 bottom locked
J10 "2xUSB A" USB_TYPEA_DOUBLE_USBR-A-D-F-O-TH 37.67,131.085 r0 bottom locked
J11 "USB" HEADER4X1_TH 1.4,43.241 r270 bottom locked
J12 "USB" HEADER4X1_TH 27.8,132.6 r270 bottom
J13 "DDR2 (1.8V) SODIMM SOCKET" TE_1717254-1_DDR_SODIMM 41.65,62.5 r90 bottom locked
J14 "USB boot" HDR_1x2 65.88,126.02 r90 bottom
J15 "USB Micro Type B" microUSB_v2 22.75,141.575 r0 bottom locked
J16 "Micro SD card holder" MICRO_SD_CARD_114-00841-68_v2 57.85,135.212 r180 top locked
J17 "UART" HEADER4X1_TH 11.304,1.652 r0 bottom
J18 "EXT_USB" HDR_1x2 3.15,133.675 r270 bottom
J19 "HDMI" HDMI_AMPHENOL_10029449-111RLF 57.95,137.45 r0 bottom locked
J20 "SMA board edge" SMA_connector_board_edge_SM 72.6,131.525 r90 top locked
J21 "A/V, 3.5mm" Audio_jack_3.5mm 11.735,143.85 r270 bottom locked
J22 "FPC 15-pin" FPC_CONNECTOR_15PIN_1-1734248-5 37.5,121.55 r180 bottom locked
J23 "FPC 15-pin" FPC_CONNECTOR_15PIN_1-1734248-5 37.5,114.125 r180 bottom locked
J24 "SMA board edge" SMA_connector_board_edge_SM 72.6,86.525 r90 top locked
J25 "SMA board edge" SMA_connector_board_edge_SM 72.6,101.525 r90 top locked
J26 "" HDR_1x2 7.25,95.175 r180 bottom
J27 "Header 3X2" Header3x2 69.65,43.925 r0 bottom
J28 "CONN_PWR_JACK_2.1x5.5mm" CONN_PWR_JACK_V2 80.2,53.225 r90 bottom locked
L1 "47nH" RES0402#2 65.828,119.075 r270 top
L2 "10uH, 1.2A" NRS4018T3R3MDGJ_inductor 59.325,55.9 r0 top
L3 "3.3uH, 2.2A" NRS4018T3R3MDGJ_inductor 64.95,47.2 r270 top
LED1 "LED_RG_SMD" LED-2x0603 2.25,60.512 r180 bottom locked
LED2 "LED_RG_SMD" LED-2x0603 2.25,68.012 r180 bottom locked
LED3 "LED_RG_SMD" LED-2x0603 2.225,75.512 r180 bottom locked
LED4 "LED_RG_SMD" LED-2x0603 2.225,83.012 r180 bottom locked
LED5 "LED_RG_SMD" LED-2x0603 2.225,90.512 r180 bottom locked
LED6 "LED_RG_SMD" LED-2x0603 2.25,53.012 r180 bottom locked
LS1 "WST-1203UX" BUZZER_WST-1203UX 15.65,108.325 r180 bottom locked
MECH2 "BMI-S-230-F-R" RFI_SHIELD_BMI-S-230-F-R 42.475,20.45 r0 top locked
MECH4 "BMI-S-230-F-R" RFI_SHIELD_BMI-S-230-F-R 42.475,104.575 r0 top locked
MECH5 "# pcs." PCB_STANDOFF 3.5,3.5 r90 top locked
MECH6 "# pcs." PCB_STANDOFF 3.5,139.5 r90 top locked
MECH7 "# pcs." PCB_STANDOFF 71.5,139.5 r90 top locked
MECH8 "# pcs." PCB_STANDOFF 71.5,3.5 r90 top locked
MN1 "8.2nH, 5%" RES0402#2 48.518,12.949 r90 top
MN2 "8.2nH, 5%" RES0402#2 48.511,10.949 r270 top
MN3 "0.8pF" CAP0402#2 51.126,11.449 r0 top
MN4 "8.2nH, 5%" RES0402#2 62.025,16.625 r270 top
MN5 "8.2nH, 5%" RES0402#2 58.825,17.05 r270 top
MN6 "1pF" CAP0402#2 49.576,11.949 r270 top
MN7 "0.5pF" CAP0402#2 52.676,11.949 r90 top
MN8 "22nH, 5%" RES0402#2 60.5,14.35 r180 top
MN9 "0.8pF" CAP0402#2 51.126,12.449 r180 top
MN10 "100uH" RES0805#2 46.488,5.826 r180 top
MN11 "100uH" RES0805#2 46.488,8.725 r180 top
MN12 "4.3nH, 5%" RES0402#2 62.453,20.68 r270 top
MN13 "0R" RES0402#2 48.511,6.274 r270 top
MN14 "0R" RES0402#2 48.511,8.274 r90 top
MN15 "100nF, 16V" CAP0402#2 51.111,7.774 r180 top
MN16 "12nH, 5%" RES0402#2 60.928,21.955 r180 top
MN17 "10nH, 5%" RES0402#2 58.753,19.505 r0 top
MN18 "1pF" CAP0402#2 49.561,7.274 r270 top
MN19 "2pF" CAP0402#2 52.661,7.274 r90 top
MN20 "100nF, 16V" CAP0402#2 51.111,6.774 r0 top
MN21 "510pF" CAP0402#2 49.931,24.978 r180 top
MN22 "8.2nH, 5%" RES0402#2 51.531,25.478 r270 top
MN23 "1.2pF" CAP0402#2 48.388,25.478 r270 top
MN24 "510pF" CAP0402#2 49.931,25.978 r180 top
MN25 "2pF" CAP0402#2 50.031,29.553 r180 top
MN26 "0.5pF" CAP0402#2 51.581,30.053 r270 top
MN27 "1pF" CAP0402#2 48.488,30.053 r270 top
MN28 "2pF" CAP0402#2 50.031,30.553 r180 top
R1 "10k, 1%" RES0402#1 29.997,18.544 r0 bottom
R2 "10k, 1%" RES0402#1 28.272,12.694 r0 bottom
R3 "10k, 1%" RES0402#1 29.872,19.644 r180 bottom
R4 "10k, 1%" RES0402#1 31.997,20.794 r0 bottom
R5 "10k, 1%" RES0402#1 32.222,19.694 r180 bottom
R6 "49.9R, 1%" RES0402#1 35.032,11.199 r180 bottom
R7 "49.9R, 1%" RES0402#1 32.822,13.219 r180 bottom
R8 "49.9R, 1%" RES0402#1 32.831,12.105 r180 bottom
R9 "49.9R, 1%" RES0402#1 35.032,12.299 r180 bottom
R10 "10k, 1%" RES0402#1 18.477,15.7 r270 bottom
R11 "10k, 1%" RES0402#1 41.157,16.974 r135 bottom
R12 "2k2, 1%" RES0402#1 18.7,6.62 r0 bottom
R13 "2k2, 1%" RES0402#1 18.7,7.74 r0 bottom
R14 "0R" RES0201 38.512,11.254 r270 bottom
R15 "0R" RES0402#1 33.122,23.294 r0 bottom
R16 "0R" RES0402#1 33.597,21.694 r270 bottom
R17 "0R" RES0402#1 30.372,17.194 r0 bottom
R18 "0R" RES0402#1 33.517,14.839 r0 bottom
R19 "0R" RES0402#1 37.857,17.924 r90 bottom
R20 "10R" RES0201 50.772,13.494 r270 bottom
R21 "10R" RES0201 35.682,25.399 r270 bottom
R22 "0R" RES0402#1 31.697,15.594 r90 bottom
R23 "0R" RES0402#1 30.597,15.594 r90 bottom
R24 "10R" RES0201 46.006,13.128 r270 bottom
R25 "10R" RES0201 46.786,12.773 r270 bottom
R26 "10k, 1%" RES0402#1 9.225,16.094 r0 bottom
R27 "10k, 1%" RES0402#1 15.772,18.594 r90 bottom
R28 "10k, 1%" RES0402#1 11.325,16.094 r180 bottom
R29 "10k, 1%" RES0402#1 19.425,13.17 r180 bottom
R30 "10k, 1%" RES0402#1 15.772,20.694 r270 bottom
R31 "1k, 1%" RES0402#1 6.7,16.05 r0 bottom
R32 "0R" RES0402#1 14.025,18.55 r90 bottom
R33 "0R" RES0402#1 12.925,18.55 r90 bottom
R34 "0R" RES0402#2 14.2,16.2 r0 top
R35 "0R" RES0402#2 14.2,15.1 r0 top
R36 "0R" RES0402#2 14.2,14 r0 top
R37 "0R" RES0402#2 14.2,12.9 r0 top
R38 "10k, 1%" RES0402#1 19.672,25.244 r270 bottom
R39 "10k, 1%" RES0402#1 20.772,25.244 r270 bottom
R40 "10k, 1%" RES0402#1 21.872,25.244 r270 bottom
R41 "10k, 1%" RES0402#1 16.772,15.894 r0 bottom
R42 "10k, 1%" RES0402#1 16.772,16.994 r0 bottom
R43 "10k, 1%" RES0402#1 29.575,5.525 r180 bottom
R44 "0R" RES0402#2 64.328,115.375 r180 top
R45 "3k, 1%" RES0402#1 32,5.525 r180 bottom
R46 "0R" RES0402#2 64,113.375 r0 top
R47 "0R" RES0402#2 65.928,114.875 r90 top
R48 "3k, 1%" RES0402#1 32,4.425 r180 bottom
R49 "0R" RES0402#1 57.475,113.275 r180 bottom
R50 "10R, 5%" RES0402#2 65.328,116.475 r0 top
R51 "10k, 1%" RES0402#1 16.1,74.625 r270 bottom
R52 "0R" RES0402#1 61.331,107.775 r0 bottom